# Altium PCB Hrafn_backup.PcbDoc (part 2 of 5) (continued)
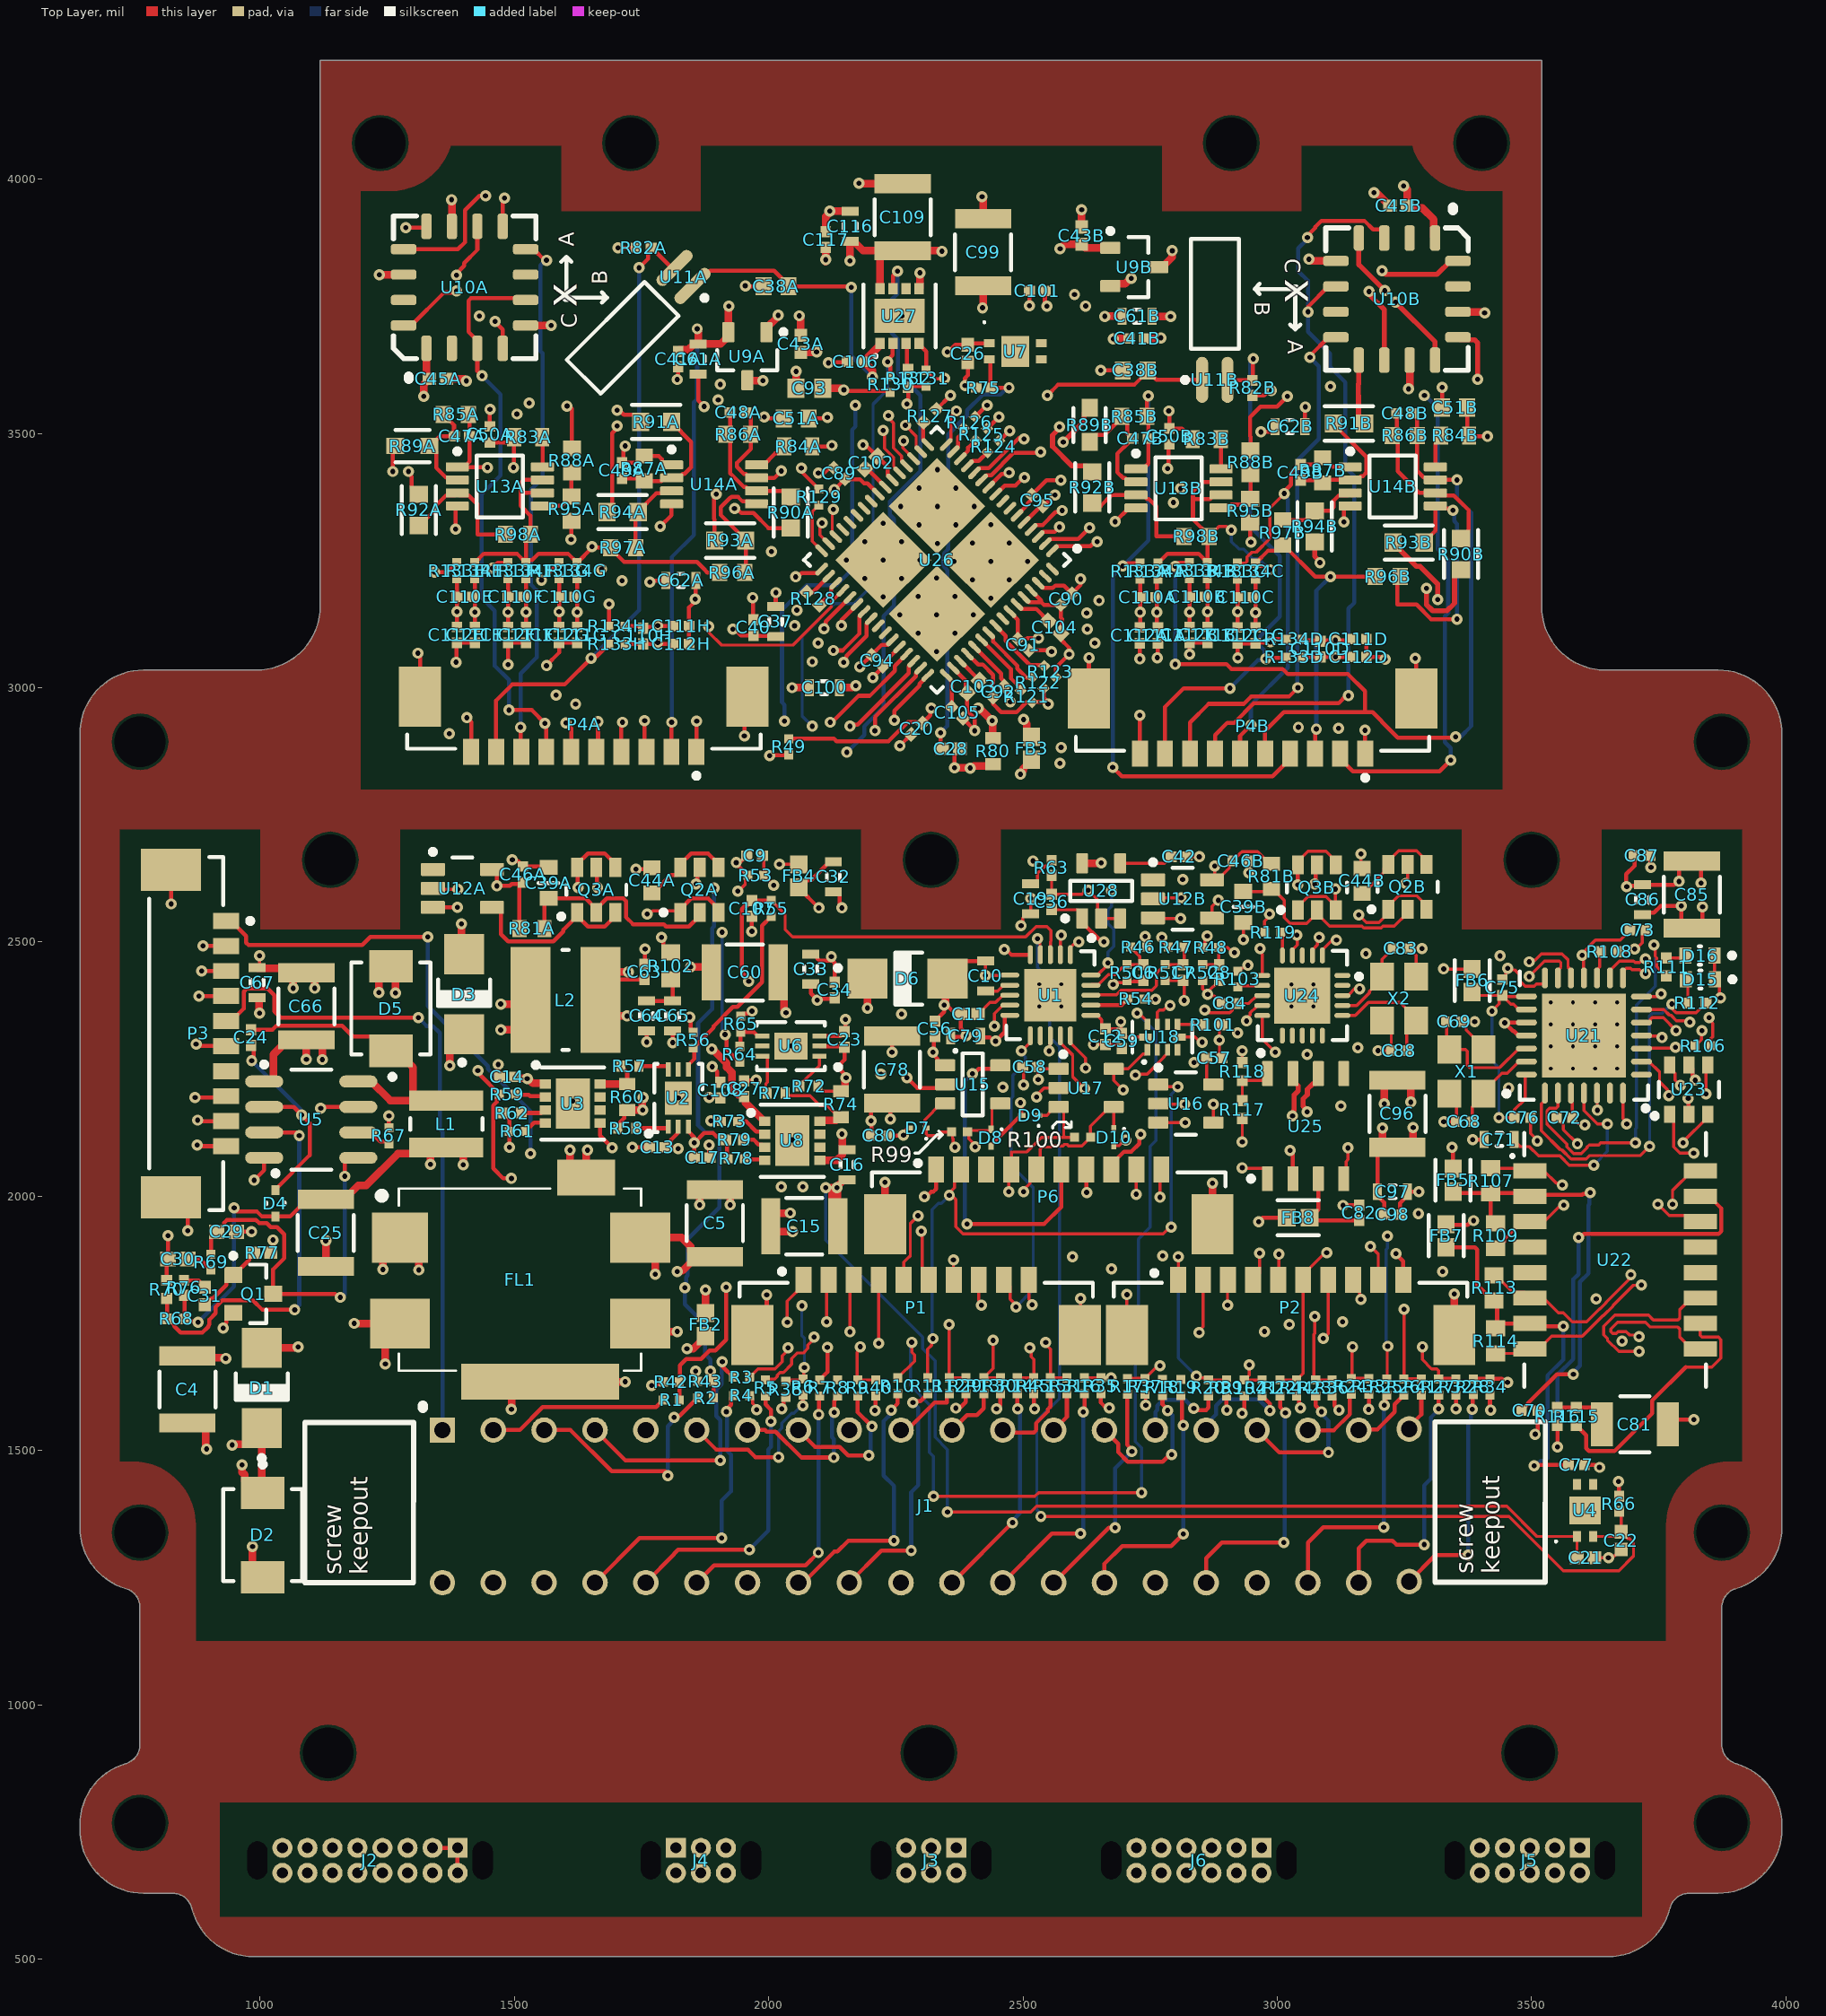
[diagram p0: Top Layer view]
## Part data (continued)
L2: library part CMP-0227-00320-1, "SMD Shielded Tiny Power Inductor WE-TPC, L = 0.47 µH", Inductance="0.47 µH", ComponentLink1Description="Manufacturer Link", ComponentLink1URL=http://www.we-online.com, ComponentLink2Description=Datasheet, ComponentLink2URL=http://www.we-online.de/katalog/media/pdf/74404300047.pdf, DatasheetVersion="ver 6, Aug-2010", PackageDescription="SMD Inductor, 2-Leads, Body 4.8 x 4.8 mm", PackageReference=WE-TPC-4828-MH, PackageVersion=2010
P1 P2 P3 P4A P4B P6: library part CMP-2000-05635-1, "Male Header, Pitch 1.25 mm, 1 x 10 Position, Height 4.7 mm, -40 to 85 degC, RoHS, Tape and Reel", Current Rating=1A, Manufacturer=Molex, Package Description="Male Header, Pitch 1.25 mm, 1 x 10 Position, Height 4.7 mm", Voltage Rating=125V, Brand=Molex, Contact Gender=Pin(Male), Contact Material=PhosphorBronze, Contact Plating=Tin, Datasheet URL=http://www.molex.com/pdm_docs/sd/533981071_sd.pdf, Datasheet Version="Rev. J, 09/2015", Factory Pack Quantity=1000, Housing Material=Nylon, Manufacturer URL=http://www.molex.com/, Mounting Angle=Vertical, Mounting Style=SMD, Mounting Technology=SurfaceMount, Number of Positions=10Position, Number of Rows=1Row, Package Reference=53398-1071, Packaging=Reel, Pitch=1.25mm, Product=Headers, Product Category=Headers&WireHousings, RoHS=Details, Series=53398, Termination Style=SMD, Tradename=PicoBlade, Type=Shrouded
Q1: library part CMP-1048-00592-1, "General Purpose Transistor, NPN Silicon, 3-Pin SOT-23, Pb-Free, Tape and Reel", Manufacturer="On Semiconductor", ComponentLink1Description="Manufacturer URL", ComponentLink1URL=http://www.onsemi.com/, ComponentLink2Description=Datasheet, ComponentLink2URL=http://www.onsemi.cn/pub_link/Collateral/MMBT2222LT1-D.PDF, ComponentLink3Description="Package Specification", ComponentLink3URL=http://www.onsemi.cn/pub_link/Collateral/318-08.PDF, DatasheetVersion="Rev. 10", fT Min (MHz)=300, IC Continuous (A)=0.6, Mounting Technology="Surface Mount", PackageDescription="3-Pin Small Outline Transistor, Body 2.92 x 1.3 mm, Pitch 0.95 mm", PackageReference=SOT-23-3-318-08, PackageVersion="Rev. AP, 11/2009", Packing="Tape and Reel", PartNumber=MMBT2222ALT3G, Polarity=NPN, RoHS=TRUE
Q2A Q2B Q3A Q3B: library part CMP-1058-00959-1, "Power MOSFET, Complementary, 30 V, +2.9 / -2.2 A, 6-Pin TSOP, Pb-Free, Tape and Reel", Manufacturer="On Semiconductor", Package Type=TSOP-6, Channel Polarity=Complementary, ComponentLink1Description="Manufacturer URL", ComponentLink1URL=http://www.onsemi.com/, ComponentLink2Description=Datasheet, ComponentLink2URL=http://www.onsemi.com/pub_link/Collateral/NTGD4167C-D.PDF, ComponentLink3Description="Package Specification", ComponentLink3URL=http://www.onsemi.com/pub_link/Collateral/318G-02.PDF, Configuration=Dual, DatasheetVersion="Rev. 1", Mounting Technology="Surface Mount", PackageDescription="6-Pin Small Outline Package, Body 3 x 1.5 mm, Pitch 0.95 mm", PackageReference=TSOP-6-318G-02, PackageVersion="Rev. V, 06/2012", Packing="Tape and Reel", PartNumber=NTGD4167CT1G, RoHS=Pb-Free, V(BR)DSS Min (V)=30, VGS Max (V)=12, VGS(th) Max (V)=1.5
R1 R2 R3 R4 R5 R6 R7 R8 R9 R10 R11 R12 R13 R14 R15 R16 R17 R18 R19 R20 R21 R22 R23 R24 R25 R26 R27 R28 R67 R103 R106 R119 R121 R122 R123 R124 R125 R126 R127 R128 R129: library part CMP-2002-08356-1, Manufacturer="Vishay Dale", Part Number=CRCW040220K0FKED, Resistance="220 Ω"
R29 R30 R31 R32 R33 R34 R35 R36 R37 R38 R39 R40 R41 R42 R43 R44 R45 R54 R104: library part CMP-2002-00489-1, Manufacturer=Panasonic, Part Number=ERJ-2GEJ223X, Resistance=22kΩ
R46 R47 R48 R49 R50 R51 R52 R53 R69: library part CMP-2002-08135-1, Manufacturer="Vishay Dale", Part Number=CRCW040210K0FKED
R55 R56 R64 R65: library part CMP-2002-00966-3, "Chip Resistor, 4.99 KOhm, +/- 1%, 100 mW, -55 to 155 degC, 0402 (1005 Metric), RoHS, Tape and Reel", Case Code (Imperial)=0402, Case Code (Metric)=1005, Manufacturer="Basic Passives", Max Operating Temperature="155 degC", Min Operating Temperature="-55 degC", Package Quantity=10000, PartNumber=ERJ-2RKF4991X, Power Rating="100 mW", Resistance="4.99 KOhm", Tolerance=1%, Voltage Rating="50 V", Case\/Package=0402, ComponentLink1Description="Manufacturer URL", ComponentLink1URL=http://www.panasonic.com/, ComponentLink2Description=Datasheet, ComponentLink2URL=http://industrial.panasonic.com/cdbs/www-data/pdf/RDA0000/AOA0000C86.pdf, DatasheetVersion=04/2015, Height="0.35 mm", Length="1 mm", Mount="Surface Mount", Mounting Technology="Surface Mount", PackageDescription="2-Pin Surface Mount Device, Body 1 x 0.5 mm", PackageReference=0402, Packaging="Tape and Reel", Pins=2, Radiation Hardening=No, REACH SVHC=Unknown, RoHSCompliant=true, Weight=2.8E-05oz, Width="0.5 mm"
R57 R58 R71 R72: library part CMP-1011-00397-1, "100R 0.063W 1% 0402 (1005 Metric)  SMD", Case-EIA=0402, Case-Metric=1005, Power="0.063 W", Tolerance="1 %", Technology=SMT
R59 R73 R130: library part CMP-2002-08123-2, "Chip Resistor, 100 KOhm, +/- 1%, 0.63 W, -55 to 155 degC, 0402 (1005 Metric), RoHS, Tape and Reel", Case Code (Imperial)=0402, Case Code (Metric)=1005, Max Operating Temperature="155 degC", Min Operating Temperature="-55 degC", Package Quantity=10000, Power Rating="63 mW", Resistance="100 kohm", Tolerance=1%, Type (Resistor)="Thick Film", Voltage Rating="50 V", Case\Package=0402, ComponentLink1Description="Manufacturer URL", ComponentLink1URL=http://www.vishay.com/, ComponentLink2Description=Datasheet, ComponentLink2URL=http://www.vishay.com/docs/20035/dcrcwe3.pdf, DatasheetVersion=06/2012, Height="0.35 mm", Length="1 mm", Mount="Surface Mount", Mounting Technology="Surface Mount", PackageDescription="2-Pin Surface Mount Device, Body 1 x 0.5 mm", PackageReference=0402, Packaging="Tape and Reel", Pins=2, Radiation Hardening=No, REACH SVHC=Unknown, RoHSCompliant=true, Weight="2.3E-05 oz", Width="0.5 mm"
R60 R74: library part CMP-2000-04331-1, Manufacturer=Yageo, Part Number=RL0603FR-070R02L
R61 R78 R131: library part CMP-2002-01133-1, Manufacturer=Panasonic, Part Number=ERJ2RKF2202X
R62 R79 R132: library part CMP-2002-08429-1, Manufacturer="Vishay Dale", Part Number=CRCW0402274KFKED
R63: library part CMP-2002-06398-1, Manufacturer=Yageo, Part Number=RL0402FR-070R5L
R66 R75 R76 R82A R82B: library part CMP-2002-05790-1, Manufacturer=Panasonic, Part Number=ERA-2AEB202X, Resistance="2 kΩ 0.1%"
R68: library part CMP-2002-07467-1, Manufacturer=Yageo, Part Number=RC0402FR-071K74L, Resistance="1.74 kΩ"
R70: library part CMP-1011-00510-4, "Chip Resistor, 1 KOhm, +/- 1%, 100 mW, -55 to 155 degC, 0402 (1005 Metric), RoHS, Tape and Reel", Case Code (Imperial)=0402, Case Code (Metric)=1005, Manufacturer="Basic Passives", Max Operating Temperature="155 degC", Min Operating Temperature="-55 degC", Package Quantity=10000, PartNumber=ERJ-2RKF1001X, Power Rating="100 mW", Tolerance=1%, Voltage Rating="50 V", Case\/Package=0402, ComponentLink1Description="Manufacturer URL", ComponentLink1URL=http://www.panasonic.com/, ComponentLink2Description=Datasheet, ComponentLink2URL=http://industrial.panasonic.com/cdbs/www-data/pdf/RDA0000/AOA0000C86.pdf, DatasheetVersion=04/2015, Height="0.35 mm", Length="1 mm", Mount="Surface Mount", Mounting Technology="Surface Mount", PackageDescription="2-Pin Surface Mount Device, Body 1 x 0.5 mm", PackageReference=0402, Packaging="Tape and Reel", Pins=2, Radiation Hardening=No, REACH SVHC=Yes, Resistance="1 KOhm", RoHSCompliant=true, Width="0.5 mm"
R77: library part CMP-2002-05889-1, Manufacturer=Panasonic, Part Number=ERA2AEB473X, Resistance="47 kΩ"
R80: library part CMP-2000-04856-1, =Resistance="0 Ω", Manufacturer=Yageo, Part Number=AC0603JR-070RL
R81A R81B: library part CMP-2000-00217-1, Manufacturer=Panasonic, Part Number=ERJ-3EKF1204V
R83A R83B R84A R84B: library part CMP-2100-03667-1, "Chip Resistor, 0 Ohm, +/- 5%, 0.1 W, -55 to 155 degC, 0603 (1608 Metric), RoHS, Tape and Reel", Case Code (Imperial)=0603, Case Code (Metric)=1608, Manufacturer=Yageo, Max Operating Temperature=155degC, Min Operating Temperature=-55degC, Package Description="2-Pin Surface Mount Device, Body 1.6 x 0.8 mm", Package Quantity=5000, Power Rating=100mW, Resistance=0mOhm, Temperature Coefficient=200ppm/degreesC, Tolerance=5%, Voltage Rating=50V, Case/Package=0603, Composition=ThickFilm, Contact Plating=Tin, Datasheet URL=http://www.yageo.com/NewPortal/yageodocoutput?fileName=/pdf/R-Chip/PYu-RC_Group_51_RoHS_L_5.pdf, Datasheet Version="Rev. 5, 10/2016", Depth=0.8mm, Height=0.45mm, Lead Free=LeadFree, Length=1.6mm, Manufacturer URL=http://www.yageo.com/, Military Standard=Not, Number of Pins=2, Package Reference=0603, Packaging=TapeandReel, Radiation Hardening=No, REACH SVHC=NoSVHC, RoHSCompliant=true, Termination=SMD/SMT, Voltage Rating (DC)=50V, Width=0.8mm
R85A R85B R86A R86B R87A R87B R96A R96B R97A R97B R98A R98B: library part CMP-2000-03736-1, Manufacturer="Vishay Dale", Part Number=TNPW0603249KBEEA, Resistance=249KΩ
R88A R88B R95A R95B: library part CMP-2000-00874-1, Manufacturer=Panasonic, Part Number=ERA-3AEB103V
R89A R89B R90A R90B R91A R91B R92A R92B R93A R93B R94A R94B: library part CMP-03412-033519-1, "RES SMD 4.99K OHM 0.1% 1/10W", Manufacturer=Yageo, Manufacturer Part Number=RT0603BRE074K99L, Package=RT0603, Power Rating=0.1W, Temperature="-55°C to +155°C", Temperature Coefficient="50 ppm/°C", Temperature Range High=+155°C, Temperature Range Low=-55°C, Tolerance=0.001, Voltage Rating=75V, Automotive=No, Category=Res, ComponentLink2Description=Datasheet, ComponentLink2URL=http://www.yageo.com/documents/recent/PYu-RT_1-to-0.01_RoHS_L_9.pdf, Composition="Thin Film", Device Class L1="Passive Components", Device Class L2=Resistors, Device Class L3="Chip SMD Resistors", Digikey Description="RES SMD 4.99K OHM 0.1% 1/10W", Footprint Url=http://www.yageo.com/exep/pages/download/literatures/PYu-R_Mount_10.pdf, Height=0.55mm, Ipc Land Pattern Name=RESC16080X45, Lead Free=Yes, Mouser Description="Res Thin Film 0603 4.99K Ohm 0.1% 1/10W ±50ppm/°C Molded SMD Paper T/R", Octopart=https://octopart.com/rt0603bre074k99l-yageo-1445653, Resistance=4.99KΩ, RoHS=TRUE, Series=RT
R99 R100: library part CMP-2002-00605-3, "Chip Resistor, 100 Ohm, +/- 1%, 100 mW, -55 to 155 degC, 0402 (1005 Metric), RoHS, Tape and Reel", Case Code (Imperial)=0402, Case Code (Metric)=1005, Manufacturer="Basic Passives", Max Operating Temperature="155 degC", Min Operating Temperature="-55 degC", Package Quantity=10000, PartNumber=ERJ-2RKF1000X, Power Rating="100 mW", Tolerance=1%, Voltage Rating="50 V", Case\/Package=0402, ComponentLink1Description="Manufacturer URL", ComponentLink1URL=http://www.panasonic.com/, ComponentLink2Description=Datasheet, ComponentLink2URL=http://industrial.panasonic.com/cdbs/www-data/pdf/RDA0000/AOA0000C86.pdf, DatasheetVersion=04/2015, Height="0.35 mm", Length="1 mm", Mount="Surface Mount", Mounting Technology="Surface Mount", PackageDescription="2-Pin Surface Mount Device, Body 1 x 0.5 mm", PackageReference=0402, Packaging="Tape and Reel", Pins=2, Radiation Hardening=No, REACH SVHC=Yes, Resistance="100 Ohm", RoHSCompliant=true, Width="0.5 mm"
R101: library part CMP-2002-00116-1, Manufacturer="Vishay Dale", Part Number=CRCW04025K10JNED, Resistance="5.1 kΩ"
R102: library part CMP-2000-00853-1, Manufacturer=Panasonic, Part Number=ERJ-3RQFR22V, Resistance="0.22 Ω"
R107 R109 R113 R114: library part CMP-2000-03436-1, Manufacturer="Vishay Dale", Part Number=CRCW060350R0FKEA, Resistance="50 Ω"
R108: library part CMP-2002-08457-1, Manufacturer="Vishay Dale", Part Number=CRCW04022K32FKED, Resistance="2.32 kΩ"
R111 R112 R117 R118: library part CMP-2002-08276-1, Manufacturer="Vishay Dale", Part Number=CRCW04021K00FKED, Resistance="1 kΩ"
R115 R116: library part CMP-2002-01061-1, Manufacturer=Panasonic, Part Number=ERJ-2RKF75R0X, Resistance="75 Ω"
R133A R133B R133C R133D R133E R133F R133G R133H R134A R134B R134C R134D R134E R134F R134G R134H: library part CMP-2002-00870-1, Manufacturer=Panasonic, Part Number=ERJ2RKF3301X, Resistance="3.3 KΩ"
U1: library part CMP-0313-00349-2, "8 Channel 12-Bit SAR Analog-to-Digital Converter with SPI Interface and Temperature Sensor 1MSPS, -40 to +125 degC, CP-20-8, Pb-Free, Tray", Generic Part Number=AD7298, Manufacturer="Analog Devices", Channels=9, Code_JEDEC=MO-220-WGGD, ComponentLink1Description="Manufacturer URL", ComponentLink1URL=http://www.analog.com/en/index.html, ComponentLink2Description=Datasheet, ComponentLink2URL=http://www.analog.com/static/imported-files/data_sheets/AD7298.pdf, ComponentLink3Description="Package Specification", ComponentLink3URL=http://www.analog.com/static/imported-files/packages/PKG_PDF/LFCSP(CP)/CP-20/CP_20_8.pdf, ComponentLink4Description="Product URL", ComponentLink4URL=http://www.analog.com/en/analog-to-digital-converters/ad-converters/ad7298/products/product.html, DatasheetVersion=Rev.B, Interface=SPI, Mounting Technology="Surface Mount", PackageDescription="20-Lead Lead Frame Chip Scale Package [LFCSP_WQ] 4 x 4 mm Body, Very Very Thin Quad", PackageReference=CP-20-8, PackageVersion=020509-B, Packing=Tray, PartNumber=AD7298BCPZ, Resolution (Bits)=12, RoHS=Y, Throughput Rate (SPS)=1M
U3 U8 U27: library part CMP-07123-000004-1, "IC LOAD SWITCH 0.4-2A OCP 8MLP", Ambient Temperature Range High=+85°C, Ambient Temperature Range Low=-40°C, Manufacturer="ON Semiconductor", Max Junction Temp=+125°C, Max Power Dissipation=1.25W, Max Supply Voltage=36V, Min Supply Voltage=2.8V, Nominal Supply Current=92uA, Output Current=0.4-2A, Package=511DD, Temperature="-40°C to +125°C", Automotive=No, Category=IC, ComponentLink2Description=Datasheet, ComponentLink2URL=https://www.onsemi.com/pub/Collateral/FPF2702-D.pdf, Device Class L1="Integrated Circuits (ICs)", Device Class L2="Power Management ICs", Device Class L3="Gate Drivers", Digikey Description="IC LOAD SWITCH 0.4-2A OCP 8MLP", Fall Time=1.5ms, Footprint Url=https://www.onsemi.com/pub/Collateral/511DD.PDF, Height=0.8mm, Ipc Land Pattern Name=DFN300X300X80-8, Lead Free=Yes, Manufacturer Part Number=FPF2701MPX, Mouser Description="Power Switch ICs - Power Distribution AccuPower Advanced Load Mngmnt Products", Number Of Outputs=1, Octopart=https://octopart.com/fpf2701mpx-on+semiconductor-84327806, Rise Time=7.5ms, RoHS=TRUE, Standoff Height=0mm, Temperature Range High=+125°C, Temperature Range Low=-40°C, Turn Off Delay Time=0.1ms, Turn On Delay Time=2.7ms
U4 U7: library part AD590, Supplier 1=Digi-Key
U5: library part CMP-0491-01945-1, "4.5 A, 500 kHz Step-Down Switching Regulator, 8-pin SOIC (S8-8), 0 to 125 degC, Pb-Free", Frequency Sync Range="580kHz - 1MHz", Manufacturer="Linear Technology", ComponentLink1Description="Manufacturer URL", ComponentLink1URL=http://www.linear.com/, ComponentLink2Description=Datasheet, ComponentLink2URL=http://cds.linear.com/docs/en/datasheet/1959fs.pdf, ComponentLink3Description="Package Specification", ComponentLink3URL=http://cds.linear.com/docs/en/packaging/05081610_G_SO8.pdf, Mounting Technology="Surface Mount", Number Of Outputs=1, PackageDescription="8-Pin Plastic Small Outline (Narrow .150 Inch), Body 4.9 x 3.9 mm, Pitch 1.27 mm", PackageReference=S8-8, PackageVersion="Rev. G, 03/2012", PartNumber=LT1959CS8#PBF, RoHS=TRUE
U9A U9B: library part CMP-0367-00163-2, "4.096 V, 50 ppm / degC, 50 uA Series (Bandgap) Voltage Reference, -40 to 125 degC, 3-pin SOT-23 (DBZ), Green (RoHS & no Sb/Br)", Manufacturer="Texas Instruments", Rating=Catalog, Temp Coeff(Max)(ppm/ degree C)=50, Temp Coeff(Typ)(ppm/ degree C)=20, Code_JEDEC=TO-236, ComponentLink1Description="Manufacturer URL", ComponentLink1URL=http://www.ti.com/, ComponentLink2Description=Datasheet, ComponentLink2URL=http://www.ti.com/general/docs/lit/getliterature.tsp?genericPartNumber=REF3040&fileType=pdf, ComponentLink3Description="Package Specification", ComponentLink3URL=http://www.ti.com/litv/pdf/mpds108a, DatasheetVersion=SBVS032F, Eco-Plan="Green (RoHS & no Sb/Br)", Initial Accuracy @ 25/deg C(%)=0.2, Iq(Max)(uA)=50, Mounting Technology="Surface Mount", PackageDescription="3-Pin Plastic Small Outline, Body 2.92 x 1.3 mm, Pitch 0.95 mm", PackageReference=DBZ0003A, PackageVersion=4203227/B, PartNumber=REF3040AIDBZT, SubFamily="Series Voltage Reference", VI(Max)(V)=5.5, VI(Min)(V)=4.097, VO(V)=4.096
U10A U10B: Case/Package=PLCC, Manufacturer 1=Honeywell, Max Operating Temperature=125°C, Max Supply Voltage=20V, Min Operating Temperature=-40°C, Min Supply Voltage=1.8V, Nominal Supply Current=500mA, Operating Supply Voltage=3V, Package Quantity=66, Axis="X, Y, Z", Bandwidth=5MHz, ComponentLink1Description=https://datasheet.ciiva.com/15099/getdatasheetpartid-59250-15099355.pdf?src-supplier=Verical, ComponentLink1URL=https://datasheet.ciiva.com/15099/getdatasheetpartid-59250-15099355.pdf?src-supplier=Verical, ComponentLink2Description=https://datasheet.ciiva.com/2816/hmc-1051-1052-1053-data-sheet-2816521.pdf?src-supplier=Digi-Key, ComponentLink2URL=https://datasheet.ciiva.com/2816/hmc-1051-1052-1053-data-sheet-2816521.pdf?src-supplier=Digi-Key, Height=2.5mm, Length=7.4mm, Manufacturer Part Number 1=HMC1053, Number of Pins=16, Output Type="Wheatstone Bridge", Packaging="Tape and Reel", Pricing 1="1=70.65000, 4=63.60000, 100=53.00010, 500=51.24000 (USD)", Radiation Hardening=No, RoHS=Yes, Sensing Method=Magnetoresistive, Stock 1=284, Supplier 1=Digi-Key, Width=7.4mm
U12A U12B: library part CMP-0859-00023-3, "Single Inverter Gate, DBV0005A, LARGE T&R", F @ Nom Voltage(Max)(Mhz)=75, Generic Part Number=SN74AHC1G04, ICC @ Nom Voltage(Max)(mA)=0.01, Manufacturer="Texas Instruments", Operating Temperature Range(C)="-40 to 125", Rating=Catalog, tpd @ Nom Voltage(Max)(ns)=10.6,7.5, Voltage(Nom)(V)=3.3,5, 3-State Output=No, Bits(#)=1, DatasheetVersion=SCLS318S, Input Type=CMOS, Logic=Inverting, Output Drive (IOL/IOH)(Max)(mA)=50/-50, Output Type=CMOS, PackageReference=DBV0005A, Schmitt Trigger=No, Sub-Family="Inverting Buffer/Driver", Technology Family=AHC, VCC(Max)(V)=5.5, VCC(Min)(V)=2
U13A U13B U14A U14B: library part CMP-0055-01527-3, "Zero Drift, Low Noise, EMI Hardened Amplifier, 8-pin Mini SOIC, Pb-Free", Manufacturer="Texas Instruments", Package Reference=DGK0008A, PackageTopMarking=ZXTT*AV5A, PowerWise=N, Code_JEDEC=MO-187-AA, ComponentLink1Description="Datasheet URL", ComponentLink1URL=http://www.ti.com/general/docs/lit/getliterature.tsp?genericPartNumber=LMP2022&fileType=pdf, CompType=Amplifiers, PackageDescription="MINI SOIC, .118 x .118 x .034in, 8 Lead, .0256in Pitch", PinCount=8, RoHS=Y
U15 U17: library part CMP-0058-01133-3, "3V LVDS Single CMOS Differential Line Receiver, 5-pin SOT-23, Pb-Free", Manufacturer="Texas Instruments", PackageTopMarking=N02*XTT, PowerWise=N, ComponentLink1Description="Datasheet URL", ComponentLink1URL=http://www.ti.com/general/docs/lit/getliterature.tsp?genericPartNumber=DS90LV012A&fileType=pdf, CompType="Interface IC", PackageDescription="Molded SOT-23, .115 x .063 x .040 in Body, 5 Lead, .0375 in Pitch", PackageReference=DBV0005A, PinCount=5, RoHS=Y
U16: library part CMP-0338-00013-2, "Processor Supervisory Circuit, 1 Supply Monitored, -40 to 85 degC, 5-Pin SOT-23 (DBV), Green (RoHS & no Sb/Br)", Manufacturer="Texas Instruments", Operating Temperature Range="-40 to 85 degC", Rating=Catalog, Threshold Voltage="2.93 V Typ.", # of Supplies Monitored=1, ComponentLink1Description="Manufacturer URL", ComponentLink1URL=www.ti.com, ComponentLink2Description=Datasheet, ComponentLink2URL=http://www.ti.com/lit/ds/symlink/tps3820-33.pdf, ComponentLink3Description="Package Specification", ComponentLink3URL=http://www.ti.com/lit/ml/mpds018j/mpds018j.pdf, DatasheetVersion=SLVS165J, Iq="15 uA Typ.", Mounting Technology="Surface Mount", Output Driver Type / Reset Output="Active-low, Push-pull", PackageDescription="5-Pin Plastic Small Outline, Body 1.6 x 2.9 mm, Pitch 0.95 mm", PackageReference=DBV0005A, PackageVersion=4073253-4/L, Packing="Tape and Reel", PartNumber=TPS3820-33DBVT, Reset Threshold Accuracy=2.4%, RoHS=TRUE, Time Delay="25 ms", VCC="1.1 V Min.", Watchdog Timer WDI="0.2 s"
U18: library part CMP-04892-000024-1, "IC SWITCH SPDT DUAL 10UQFN", Ambient Temperature Range High=+85°C, Ambient Temperature Range Low=-40°C, Manufacturer="Texas Instruments", Max Supply Voltage=4.8V, Min Supply Voltage=2.3V, Nominal Supply Current=30uA, On State Resistance=4.6/5.7Ω, Package=RSE0010A, Temperature="-40°C to +85°C", -3Db Bandwith=6.1GHz, Automotive=No, Category=IC, ComponentLink2Description=Datasheet, ComponentLink2URL=http://www.ti.com/lit/ds/symlink/tmux136.pdf, Device Class L1="Integrated Circuits (ICs)", Device Class L2="Interface ICs", Device Class L3="Analog Switches", Digikey Description="IC SWITCH SPDT DUAL 10UQFN", Footprint Url=http://www.ti.com/lit/ds/symlink/ts3a24157.pdf, Height=0.6mm, Ipc Land Pattern Name=QFN50P150X200X55-10, Lead Free=Yes, Manufacturer Part Number=TMUX136RSER, Mouser Description="Dual SPDT, Low-Capacitance, 6.1 GHz Analog Switch 10-UQFN -40 to 85", Mux Demux Ratio=2:1, Number of Circuits=2, Octopart=https://octopart.com/tmux136rser-texas+instruments-86728646, RoHS=TRUE, Standoff Height=0mm, Temperature Range High=+85°C, Temperature Range Low=-40°C, Throw Configuration=SPDT
U21: library part CMP-0186-00028-2, "Stand-Alone Ethernet Controller with SPI Interface, 28-Pin QFN, Industrial Temperature", Code_JEDEC=MO-220, ComponentLink1Description="Manufacturer URL", ComponentLink1URL=http://www.microchip.com/, ComponentLink2Description=Datasheet, ComponentLink2URL=http://ww1.microchip.com/downloads/en/DeviceDoc/39662c.pdf, ComponentLink3Description="Package Specification", ComponentLink3URL=http://www.microchip.com/stellent/groups/techpub_sg/documents/packagingspec/en012702.pdf, DatasheetVersion="revC, Jan-2008", PackageDescription="28-Lead Plastic Quad Flat, No Lead Package (ML) - 6x6 mm Body [QFN] with 0.55 mm Contact Length", PackageReference=QFN-ML28, PackageVersion="revBB, Aug-2009", RevisionNote="URLs added."
U22: library part CMP-2000-06431-1, "Telecom Transformer 1:1/1:1, -40 to 85 degC, 16-Pin SMT, RoHS, Tube", Manufacturer="Pulse Electronics", Package Description="16-Pin Surface Mount Device, Body 12.7 x 9.09 mm, Pitch 1.27 mm", Package Reference=SMT, Standard Package=40, Category=Transformers, Datasheet URL=http://productfinder.pulseeng.com/products/datasheets/HX1188FNL.pdf;jsessionid=D0CB5525A348FF42F5E5BE320CB10324, Datasheet Version="Rev. B, 05/2014", Family=PulseTransformers, Height - Seated (Max)=5.99mm, Manufacturer URL=http://www.pulseelectronics.com/, Mounting Technology=SurfaceMount, Mounting Type=SurfaceMount, Online Catalog=HX1188, Other Names=553-2200, Other Related Documents=PackagesFNLvs.NL, PartNumber=HX1188FNL, Size / Dimension=12.70mmLx9.00mmW, Transformer Type=IsolationandDataInterface(Encapsulated), Turns Ratio - Primary=Secondary:1:1Transmitter,1:1Receiver
U23: library part CMP-1063-00180-1, "4-Channel Low Capacitance ESD Protection Array, 6-Pin SOT-23, Pb-Free, Tape and Reel", Manufacturer="On Semiconductor", C Max (pF)=0.8, ComponentLink1Description="Manufacturer URL", ComponentLink1URL=http://www.onsemi.com/, ComponentLink2Description=Datasheet, ComponentLink2URL=http://www.onsemi.com/pub_link/Collateral/CM1224-D.PDF, ComponentLink3Description="Package Specification", ComponentLink3URL=http://www.onsemi.com/pub_link/Collateral/527AJ.PDF, DatasheetVersion="Rev. 5", Direction=Unidirectional, IR Max (uA)=1, Mounting Technology="Surface Mount", Number of Lines=4, PackageDescription="6-Pin Small Outline Transistor, Body 2.85 x 1.55 mm, Pitch 0.95 mm", PackageReference=SOT23-6-527AJ, PackageVersion="Rev. B, 02/2012", Packing="Tape and Reel", PartNumber=CM1224-04SO, PPK Max (W)=0.225, RoHS=Pb-Free
U24: library part CMP-0186-00186-1, "Stand-Alone CAN Controller With SPI Interface, 20-Pin QFN, Industrial Temperature, Tape and Reel", ComponentLink1Description="Manufacturer URL", ComponentLink1URL=http://www.microchip.com/, ComponentLink2Description=Datasheet, ComponentLink2URL=http://ww1.microchip.com/downloads/en/DeviceDoc/21801F.pdf, ComponentLink3Description="Package Specification", ComponentLink3URL=http://www.microchip.com/stellent/groups/techpub_sg/documents/packagingspec/en012702.pdf, DatasheetVersion="revF, Oct-2010", PackageDescription="20-Lead Plastic Quad Flat, No Lead Package (ML) - 4x4x0.9 mm Body [QFN]", PackageReference=QFN-ML20, PackageVersion="revBB, Aug-2009"
U25: library part CMP-0315-00015-2, "3.3V CAN Transceiver with Standby Mode, 17 mA, -40 to 85 degC, 8-pin SOIC (D), Green (RoHS & no Sb/Br)", Drivers Per Package=1, Low Power Mode=Standby, Manufacturer="Texas Instruments", Rating=Catalog, Supply Voltage(s)(V)=3.3, Code_JEDEC=MS-012AA, ComponentLink1Description=Datasheet, ComponentLink1URL=http://www.ti.com/general/docs/lit/getliterature.tsp?genericPartNumber=SN65HVD230&fileType=pdf, DatasheetVersion=SLOS346K, Eco-Plan="Green (RoHS & no Sb/Br)", ICC(Max)(mA)=17, Isolated=No, Mounting Technology="Surface Mount", PackageDescription="8-Pin Plastic Small Outline Integrated Circuit, 4.9 x 3.9 mm, Pitch 1.27 mm Pitch", PackageReference=D0008A, PackageVersion="revM, Jun-2011", PartNumber=SN65HVD230DR, Receivers Per Package=1, SubFamily=CAN, Transient Pulse Protection(V)="-25 to 25"
U26: "ANALOG DEVICES - AD7779ACPZ - Analogue to Digital Converter, 8-CH, Sigma-Delta, 24 bit, 16 kSPS, Differential, Single Ended, SPI", Manufacturer 1="Analog Devices", Manufacturer Part Number 1=AD7779ACPZ, Max Operating Temperature=125°C, Max Supply Voltage=3.6V, Min Operating Temperature=-40°C, Min Supply Voltage=2.2V, Supplier Part Number 1=AD7779ACPZ-ND, Category="Analog to Digital Converters (ADCs)", ComponentLink1Description=http://www.mouser.com/ds/2/609/AD7779-907534.pdf?src-supplier=Mouser, ComponentLink1URL=http://www.mouser.com/ds/2/609/AD7779-907534.pdf?src-supplier=Mouser, ComponentLink2Description=http://www.farnell.com/datasheets/2251075.pdf?src-supplier=Farnell, ComponentLink2URL=http://www.farnell.com/datasheets/2251075.pdf?src-supplier=Farnell, ComponentLink3Description=http://www.farnell.com/datasheets/2170257.pdf?src-supplier=Element14, ComponentLink3URL=http://www.farnell.com/datasheets/2170257.pdf?src-supplier=Element14, ComponentLink4Description=http://www.analog.com/media/en/technical-documentation/data-sheets/AD7779.pdf?src-supplier=Digi-Key, ComponentLink4URL=http://www.analog.com/media/en/technical-documentation/data-sheets/AD7779.pdf?src-supplier=Digi-Key, Interface=Serial,SPI, Lead Free="Contains Lead", Number of A/D Converters=8, Number of Bits=24, Number of Inputs=8, Number of Pins=64, Packaging=Tray, Pricing 1="1=13.27000, 10=12.19800, 25=11.69200, 100=9.79600, 250=9.16400, 500=8.53200, 1000=8.40560 (USD)", REACH SVHC="No SVHC", Resolution=24b, RoHS=Yes, Sampling Rate=16000S/s, Stock 1=259, Supplier 1=Digi-Key
U28: library part CMP-0394-00266-2, "Single Output High PSRR LDO, 100 mA, Fixed 3.3 V Output, 2.7 to 5.5 V Input, 5-pin SOT-23 (DBV), -40 to 125 degC, Green (RoHS & no Sb/Br)", Manufacturer="Texas Instruments", Rating=Catalog, Accuracy(%)=2, Code_JEDEC=MO-178, ComponentLink1Description="Manufacturer URL", ComponentLink1URL=http://www.ti.com/, ComponentLink2Description=Datasheet, ComponentLink2URL=http://www.ti.com/general/docs/lit/getliterature.tsp?genericPartNumber=TPS79133&fileType=pdf, ComponentLink3Description="Package Specification", ComponentLink3URL=http://www.ti.com/litv/pdf/mpds018i, ComponentLink4Description="URL Link1", ComponentLink4URL="Samples URL:http://www.ti.com/product/tps79133#samples", DatasheetVersion=SLVS325C, Eco-Plan="Green (RoHS & no Sb/Br)", Fixed Output Options(V)=3.3, Iout(Max)(A)=0.1, Iq(Typ)(mA)=0.2, Mounting Technology="Surface Mount", PackageDescription="5-Pin Plastic Small Outline, Body 1.60 Ãƒâ€” 2.90 mm, Pitch 0.95 mm", PackageReference=DBV0005A, PackageVersion=4073253-4/K, PartNumber=TPS79133DBVR, SubFamily="Single Channel LDO", Vdo(Typ)(mV)=50, Vin(Max)(V)=5.5, Vin(Min)(V)=2.7, Vout Adj(Max)(V)=3.3, Vout Adj(Min)(V)=3.3
X1 X2: library part CMP-2000-05733-1, "Ultra Miniature Ceramic Glass Sealed SMD Crystal, 25 MHz, -40 to 85 degC, 4-Pin SMD, RoHS, Tape and Reel", Case Height=1mm, Case Length=3.2mm, Case Width=2.5mm, Frequency=25MHz, Frequency Stability=30PPM, Load Capacitance=18pF, Manufacturer=ABRACON, Operating Temperature Range=-40Cto+85C, Package / Case=3.2mmx2.5mm, Package Description="4-Pin Surface Mount Device, Body 2.5 x 3.2 mm, Pitch 2.2 mm", Package Reference=ABM8G, Tolerance=20PPM, Brand=ABRACON, Datasheet URL=http://www.abracon.com/Resonators/ABM8G.pdf, Datasheet Version=08/2015, Dimensions=2.5mmWx3.2mmLx1mmH, ESR=60Ohms, Factory Pack Quantity=1000, Manufacturer URL=http://www.abracon.com/, Mounting Style=SMD/SMT, Mounting Technology=SurfaceMount, Packaging=Reel, Product Category=Crystals, RoHS=Details, Series=ABM8G, Termination Style=SMD/SMT, Type=UltraMiniatureGlassSealedCrystal
U2 U6: ComponentLink1Description=Datasheet, ComponentLink1URL=https://www.analog.com/media/en/technical-documentation/data-sheets/6105fa.pdf
U11A U11B: Supplier 1=Digi-Key, Supplier 2=Digi-Key, Supplier Part Number 2=AD590LF-ND

## Free pads (board coordinates)
  round 0 hole 100 unplated: ""(763.78,767.72) ""(763.78,1338.58) ""(763.78,2893.7) ""(1133.86,905.51) ""(1137.8,2661.42) ""(1236.22,4070.87) ""(1728.35,4070.87) ""(2314.96,905.51) ""(2318.9,2661.42) ""(2909.45,4070.87) ""(3401.57,4070.87) ""(3496.06,905.51) ""(3500,2661.42) ""(3874.02,767.72) ""(3874.02,1338.58) ""(3874.02,2893.7)

## Via types
v1: diameter 22, hole 10, Top Layer to Bottom Layer, 698 vias
v2: diameter 23.62, hole 9.84, Top Layer to Bottom Layer, 36 vias
v3: diameter 19.68, hole 7.87, Top Layer to Bottom Layer, 24 vias
v4: diameter 24.02, hole 10, Top Layer to Bottom Layer, 2 vias

## Nets (pads, with @x,y where several pads share a name; then routed paths per layer and width w, separated by ;. In a path a pad name is that pad's centre, name@x,y a point inside that pad or via, vN(x,y) a via of type N, cw(c..) or ccw(c..) an arc to the next point about the centre after c; other vN are vias at no path point)
1_A: C47B.2 P4B.4 R85B.2 R133A.1 U13B.1 | length 1339.6
  Top Layer w8: v1(2676.18,2843.5) 2693.9,2825.79 2990.49,2825.79 3025.03,2860.33 P4B.4@3025.03,2870.17 ; v1(2695.87,3239.17) 2700.2,3239.17 2705.8,3244.78 R133A.1@2729.76,3244.78 ; U13B.1@2721.88,3430.21 2735.66,3430.21 2746.09,3440.65 C47B.2@2746.09,3490.25 2746.09,3531 R85B.2@2743.53,3533.56 2743.53,3571.29 v1(2746.06,3573.82)
  Bottom Layer w8: v1(2676.18,2843.5) 2676.18,3219.49 v1(2695.87,3239.17) 2746.06,3289.37 v1(2746.06,3573.82)
1_B: C48B.2 P4B.5 R86B.2 R133B.1 U14B.7 | length 1854.5
  Top Layer w8: v1(2799,3046) 2900.13,3046 2909.13,3037 3010.21,3037 3020.2,3027.01 3138.34,3027.01 3172.24,2993.11 3172.24,2951.77 ; v1(2799.01,3238.38) 2806.41,3245.78 R133B.1@2827.18,3245.78 ; P4B.5@2975.82,2870.17 2975.82,2914.8 3012.8,2951.77 3172.24,2951.77 ; C48B.2@3265.78,3539.46 3266.57,3539.46 3275.03,3531 R86B.2@3275.03,3496.16 3275.03,3426.5 3288.12,3413.42 3305.61,3413.42 U14B.7@3310.47,3408.56 v1(3353.44,3408.56) ; v1(3350.39,2903.54) 3348.26,2901.41 3236.98,2901.41 3222.72,2915.66 3222.72,2916.06 3187.01,2951.77 3172.24,2951.77
  Bottom Layer w8: v1(2799,3046) v1(2799.01,3238.38) ; v1(3350.39,2903.54) 3360.24,2903.54 3380.91,2924.21 3380.91,3344.49 3353.44,3371.95 v1(3353.44,3408.56)
1_C: C49B.2 P4B.6 R87B.2 R133C.1 U14B.1 | length 925.4
  Top Layer w6: R133C.1@2921.67,3244.78 2936.71,3244.78 2940.25,3248.32 2940.25,3256.95 2949.71,3266.42 2958.35,3266.42 2985.54,3293.61 2985.54,3353.65 v1(3013.78,3381.89)
  Top Layer w8: P4B.6@2926.61,2870.17 2926.61,2904.95 v1(2947.83,2926.18) ; v1(3013.78,3381.89) 3013.78,3386.22 3026.46,3398.9 3026.46,3422.72 3031.74,3427.99 3035.8,3427.99 3045.7,3437.89 C49B.2@3045.7,3438.68 3073.85,3438.68 3087.04,3451.87 R87B.2@3089.01,3451.87 3090.98,3451.87 3103.82,3439.02 3103.82,3438.84 3108.5,3434.15 U14B.1@3143.14,3434.15
  Bottom Layer w8: v1(2947.83,2926.18) 2947.83,2966.54 3020.67,3039.37 3020.67,3370.67 3013.78,3377.56 v1(3013.78,3381.89)
1_H: P4B.3 R96B.1 R97B.1 R98B.1 R134A.1 R134B.1 R134C.1 U13B.6 U13B.7 | length 1233.3
  Top Layer w6: R98B.1@2865.58,3297.34 2865.58,3299.31 2877.35,3311.07 2879.32,3311.07 2885.17,3316.93 2899.61,3316.93 2906.86,3309.67 v1(2909.69,3309.67) ; R134C.1@2957.1,3244.78 2962.96,3238.92 2973.67,3238.92 2980.59,3232 v1(2984.92,3232)
  Top Layer w8: R134A.1@2765.19,3244.78 2784.05,3263.64 2844.76,3263.64 R134B.1@2862.61,3245.78 2862.62,3294.37 R98B.1@2865.58,3297.34 ; R98B.1@2865.58,3299.31 2834.02,3330.87 2834.02,3371.3 ; U13B.6@2889.21,3379.03 2875.43,3379.03 2867.69,3371.3 2834.02,3371.3 ; U13B.7@2889.21,3404.62 2852.46,3404.62 2834.02,3386.19 2834.02,3371.3 ; R134C.1@2957.1,3244.78 2982.16,3269.84 2999.51,3269.84 R97B.1@3010.27,3280.6 3012.24,3280.6 3074.24,3218.6 v1(3104.33,3218.6) R96B.1@3192.35,3218.6 ; P4B.3@3074.24,2870.17 3074.24,2916.43 v1(3076.58,2918.76)
  Bottom Layer w6: v1(2909.69,3309.67) 2909.69,3287.16 2924.21,3272.64 2933.33,3272.64 2952.12,3253.85 2963.07,3253.85 v1(2984.92,3232)
  Bottom Layer w8: v1(3076.58,2918.76) 3076.58,3190.85 v1(3104.33,3218.6)
1_T: P4B.9 R82B.2 R133D.1 U11B.2 | length 1100.5
  Top Layer w8: P4B.9@2778.97,2870.17 2778.97,2962.04 2815.94,2999.02 v1(2906.5,2999.02) ; U11B.2@2901.97,3605.32 2902.95,3604.33 R82B.2@2950.79,3604.33 2951.77,3605.31 2951.77,3645.67 v1(2952.76,3646.65) ; v1(2977,3057) 2978.57,3058.57 3015.95,3058.57 R133D.1@3017.52,3060.14
  Bottom Layer w8: v1(2906.5,2999.02) 2961.8,3054.32 2974.32,3054.32 v1(2977,3057) 2974.32,3059.68 2974.32,3073.39 2966,3081.72 2966,3101.01 2970.14,3105.16 3004.92,3139.93 3004.92,3259.03 2946.52,3317.43 2946.52,3640.42 v1(2952.76,3646.65)
2_A: C47A.2 P4A.4 R85A.2 R133E.1 U13A.1 | length 1233.5
  Top Layer w8: v1(1342.52,3227.36) 1368.19,3227.36 R133E.1@1386.62,3245.78 ; R85A.2@1409.28,3537.5 1411.84,3534.94 C47A.2@1411.84,3494.19 1411.84,3444.58 1401.41,3434.15 1387.63,3434.15 1388.17,3433.61 1446.31,3433.61 v1(1446.85,3433.07) ; P4A.4@1710.07,2874.11 1710.07,2928.57 1712.6,2931.1 v1(1712.6,2932.09)
  Internal Top w8: v1(1372.05,2909.45) 1372.05,2905.28 1376.73,2900.59 1681.1,2900.59 v1(1712.6,2932.09)
  Internal Bottom w8: v1(1372.05,2909.45) 1372.05,3033.29 1342.52,3062.82 v1(1342.52,3227.36) 1345.64,3227.36 1446.85,3328.57 v1(1446.85,3433.07)
2_B: C48A.2 P4A.5 R86A.2 R133F.1 U14A.7 | length 1357
  Top Layer w8: v1(1456.69,3235.24) 1467.24,3245.78 R133F.1@1487.1,3245.78 ; P4A.5@1660.86,2874.11 1664.28,2877.54 v1(1664.28,2933.21) ; C48A.2@1955.15,3541.43 1955.94,3541.43 1962.17,3535.2 1962.17,3534.41 1964.4,3532.18 1964.4,3469.39 1937.01,3442 1937.01,3434.21 1950.99,3420.23 1954.7,3420.23 1962.43,3412.5 U14A.7@1976.21,3412.5 2010.85,3412.5 2024.54,3426.18 v1(2024.61,3426.18)
  Internal Top w8: v1(1456.69,3235.24) 1671.26,3235.24 1972.24,3235.24 v1(2005,3268)
  Internal Bottom w8: v1(1664.28,2933.21) 1664.28,2998.5 1671.59,3005.81 1671.59,3113.14 1665.02,3119.7 1665.02,3227.03 v1(1671.26,3233.27) ; v1(2005,3268) 2005,3406.58 v1(2024.61,3426.18)
2_C: C49A.2 P4A.6 R87A.2 R133G.1 U14A.1 | length 995.5
  Top Layer w8: v1(1553.15,3211.61) 1553.42,3211.61 R133G.1@1587.59,3245.78 ; v1(1601.15,2930.46) 1611.65,2919.96 P4A.6@1611.65,2874.11 ; v1(1717.52,3475.39) 1714.48,3472.36 1714.48,3445.65 C49A.2@1711.45,3442.61 1739.6,3442.61 1752.79,3455.8 R87A.2@1754.76,3455.8 1783.49,3455.8 1790.25,3449.04 1790.25,3442.95 1795.11,3438.09 U14A.1@1808.89,3438.09
  Internal Top w8: v1(1553.15,3211.61) 1553.64,3211.12 1711.12,3211.12 v1(1711.61,3210.63)
  Internal Bottom w8: v1(1553.15,3211.61) 1553.15,3106.19 1541.99,3095.04 1541.99,2989.62 v1(1601.15,2930.46) ; v1(1711.61,3210.63) 1711.61,3470.71 1716.3,3475.39 v1(1717.52,3475.39)
2_H: P4A.3 R96A.1 R97A.1 R98A.1 R134E.1 R134F.1 R134G.1 U13A.6 U13A.7 | length 1260.7
  Top Layer w8: R134E.1@1422.05,3245.78 1439.91,3263.64 1504.68,3263.64 R134F.1@1522.54,3245.78 ; U13A.6@1554.95,3382.97 1519.36,3382.97 1511.81,3390.51 ; U13A.7@1554.95,3408.56 1518.8,3408.56 1511.81,3401.57 1511.81,3390.51 ; v1(1755.91,2935.04) 1755.91,2877.49 P4A.3@1759.28,2874.11 ; R96A.1@1903.38,3226.47 1879.07,3226.47 1874.39,3231.16 1874.39,3231.46 1858.69,3247.16 1715.44,3247.16 1688.98,3273.62 R97A.1@1688.98,3275.59 1652.83,3275.59 R134G.1@1623.03,3245.78 1605.17,3263.64 1547.11,3263.64 1534.11,3250.64 1527.4,3250.64 R134F.1@1522.54,3245.78 ; 1511.81,3390.51 1511.81,3357.44 1531.33,3337.92 R98A.1@1531.33,3301.28 1522.54,3292.48 R134F.1@1522.54,3245.78
  Internal Bottom w8: v1(1652.56,3277.56) 1664.37,3277.56 1692.26,3249.67 1692.26,3224.57 1690.61,3222.92 1690.61,3201.93 1697.83,3194.71 1697.83,3191.93 1725.34,3164.42 1725.34,2965.61 v1(1755.91,2935.04)
2_T: P4A.9 R82A.2 R133H.1 U11A.2 | length 1288.8
  Top Layer w8: P4A.9@1464.01,2874.11 1464.01,2913.93 1464,2975 1495.24,3006.24 1598.76,3006.24 v1(1650.59,3058.07) 1653.65,3061.13 1661.26,3061.13 R133H.1@1685.84,3085.71 ; v1(1745.08,3825.79) 1762.61,3843.32 1762.61,3859.32 1768.45,3865.16 R82A.2@1768.7,3865.16 1769.69,3865.16 1809.47,3825.38 U11A.2@1814.63,3825.38
  Bottom Layer w8: v1(1650.59,3058.07) 1745.08,3152.56 1745.08,3821.85 1743.11,3823.82 v1(1745.08,3825.79)
3V3_Pi: J1.1 P3.5 | length 1298.7
  Top Layer w8: P3.5@942.91,2344.49 967.66,2369.24 967.66,2402.63 973.63,2408.61 1014.55,2408.61 1027.87,2395.29 1027.87,2363.12 1040,2351 v1(1311,2351) ; J1.1@1358.27,1540.16 J1.1@1361.22,1537.2
  Bottom Layer w8: v1(1311,2351) 1327.28,2334.75 1339.46,2334.75 1353.03,2321.18 1353.03,2132.49 1358.27,2127.25 J1.1@1358.27,1540.16
3V3_RAW: C27.2 C63.1 C64.1 C65.1 L2.2 P3.3 U8.1 | length 1385.7
  Top Layer w8: v1(884.84,2442.91) P3.3@933.07,2442.91 ; L2.2@1669.29,2390.42 1704.66,2425.79 C63.1@1755.91,2425.79 ; v1@1759.84,2301.18 C64.1@1759.84,2325 ; C65.1@1811.02,2325 1811.02,2301.18 v1@1812.01,2300.2
  Top Layer w15: v1(1721.46,2354.33) 1700.99,2354.33 L2.2@1669.29,2386.02 1669.29,2390.42 1669.29,2409.07 1701.16,2440.94 v1(1723.43,2440.94) ; v1(1887.8,2289.37) 1889.1,2289.37 1917.35,2261.12 1917.35,2253.5 1927.26,2243.59 1927.26,2212.54 1940.02,2199.78 1949.04,2199.78 1951.77,2197.05 C27.2@1951.77,2196.26 1954.51,2193.52 1954.51,2183.69 1990.54,2147.66 U8.1@1992.31,2147.66
  Internal Top w8: v1(884.84,2442.91) 885.83,2441.93 1722.44,2441.93 v1(1723.43,2440.94)
  other v1: 1811.01,2302.2 1759.84,2303.18
5V_RAW: C5.1 C14.2 FL1.2 P3.1 U3.1 | length 1280.6
  Top Layer w8: P3.1@933.07,2541.34 942.91,2541.34 972.44,2511.81 972.44,2498.69 977.13,2494 1200.69,2494 1216.54,2509.84 v1(1329.72,2509.84) ; FL1.2@1737.38,1918.68 FL1.2@1747.22,1918.68
  Top Layer w15: C14.2@1501.01,2234.72 1503.4,2232.34 1523.66,2232.34 v1(1525,2231) 1526.89,2231 1535.51,2222.39 1558.83,2222.39 U3.1@1560.58,2220.63 ; v1(1776.57,1846.46) 1776.57,1889.32 FL1.2@1747.22,1918.68 1828.78,1918.68 1846.3,1901.15 1846.3,1892.32 1857.56,1881.06 1829.85,1853.34 1821.34,1853.34 v1(1820,1852)
  Bottom Layer w8: v1(1329.72,2509.84) 1329.72,2374.19 1448,2255.91 1448,2250.72 1531.5,2167.22 v1(1531.5,2083.66)
800KHZ_N: D10.1 J3.2 J4.2 P6.5 R100.1 U17.4 | length 3273.9
  Top Layer w6: v1(2501,2009) 2501,2013.08 2513.1,2025.18 2513.1,2040.25 2533.48,2060.63 2533.48,2093.09 2536.99,2096.6 2554.25,2096.6 2556.79,2099.14 2578.61,2099.14 2581.47,2102 2586.22,2102 2589.08,2099.14 2615.89,2099.14 R100.1@2632.75,2116 2632.75,2138.09 2670.26,2175.6 U17.4@2678.13,2175.6 2678,2175.46 D10.1@2678,2132.54
  Internal Top w6: J4.2@1817.26,669.42 1796.47,648.62 1756.58,648.62 1740.36,664.84 1740.36,683.01 1736.85,686.52 1699.26,686.52 1667,718.79 1667,769.21 1697.79,800 2451.21,800 2510,741.21 2510,707.79 2480.21,678 2462.82,678 2454.29,686.52 2448.85,686.52 2445.34,683.01 2445.34,664.84 2429.12,648.62 2389.24,648.62 J3.2@2368.44,669.42
  Internal Bottom w6: J3.2@2368.44,669.42 2389.24,648.62 2429.12,648.62 2445.34,664.84 2445.34,683.01 2448.85,686.52 2460.04,686.52 2499,725.49 2499,1108.21 2423.37,1183.85 2423.37,1644.25 2568,1788.88 2568,1927.21 2501.11,1994.11 2501.11,2008.89 v1(2501,2009)
800KHZ_P: D9.1 J3.1 J4.1 P6.4 R100.2 U17.3 | length 3285.4
  Top Layer w6: v1(2472,2009) 2472,2048.36 2477.08,2053.44 2477.08,2087.05 2507.64,2087.05 2536.59,2116 2583.39,2116 ; D9.1@2530.54,2159 2546.62,2159 2553.18,2165.56 2553.18,2166.79 2561.99,2175.6 U17.3@2569.87,2175.6 2571.07,2175.6 2579.88,2166.79 2579.88,2119.51 2583.39,2116 ; R100.2@2601.25,2116 2583.39,2116
  Internal Top w6: J4.1@1817.26,718.63 1800.58,735.31 1783.63,735.31 1779.52,739.42 1756.58,739.42 1740.36,723.21 1740.36,705.04 1736.85,701.52 1705.48,701.52 1682,725 1682,763 1704,785 2047,785 2076,785 2081.2,779.8 2081.2,750.2 2086.4,745 2102,745 2107.2,750.2 2107.2,779.8 2112.4,785 2128,785 2133.2,779.8 2133.2,750.2 2138.4,745 2154,745 2159.2,750.2 2159.2,779.8 2164.4,785 2185,785 2445,785 2495,735 2495,714 2474,693 2469.03,693 2460.51,701.52 2448.85,701.52 2445.34,705.04 2445.34,723.21 2429.12,739.43 2406.19,739.43 2402.08,735.32 2385.13,735.32 J3.1@2368.44,718.63
  Internal Bottom w6: J3.1@2368.44,718.63 2385.13,735.32 2402.08,735.32 2406.19,739.43 2429.12,739.43 2445.34,723.21 2445.34,705.04 2448.85,701.52 2453.82,701.52 2484,731.7 2484,1102 2408.37,1177.63 2408.37,1650.46 2553,1795.09 2553,1921 2483.55,1990.45 2483.55,1993.12 2472,2004.67 v1(2472,2009)
A3V3: C37.2 C40.2 C50A.2 C50B.2 C51A.2 C51B.2 C62A.2 C62B.2 C89.2 C90.2 C91.2 C92.2 C93.2 C94.2 C95.2 C99.1 C100.2 C101.2 P4A.1 P4B.1 R47.2 R83A.2 R83B.2 R84A.2 R84B.2 R121.2 R122.2 R130.2 U26.6 U26.24 U26.43 U26.52 U26.58 U26.62 U28.5 | length 1950
  Top Layer w6: v1(2773,2509) 2773,2504.67 2776.42,2501.25 2776.42,2498.83 R47.2@2785.25,2490
  Top Layer w8: C50A.2@1451.61,3482.38 1489.46,3482.38 R83A.2@1499.23,3492.16 ; v1(1498.03,3433.07) 1499.23,3434.27 R83A.2@1499.23,3492.16 ; R83A.2@1499.23,3492.67 R83A.2@1499.23,3492.16 ; v1(1766.08,3207.68) 1769.03,3210.63 1797.1,3210.63 C62A.2@1797.47,3211 ; P4A.1@1857.71,2874.11 1857.71,2933.5 v1(1858.27,2934.06) ; v1(1929.13,3115.34) 1930.3,3114.17 1934.06,3114.17 1945.25,3102.98 C40.2@1970.28,3102.98 1971.46,3101.8 2012.41,3101.8 C37.2@2013.59,3100.61 ; C51A.2@2078.58,3529.62 2113.28,3529.62 v1(2115.16,3531.5) ; R84A.2@2085.47,3474.5 2122.14,3474.5 v1(2124.02,3476.38) ; v1(2128.55,3389.76) 2129.05,3389.76 2149.41,3410.12 2179,3410.12 2187.39,3401.73 2194.25,3401.73 U26.24@2215.27,3380.71 ; v1(2147.64,3585.63) 2150.05,3583.22 2236.2,3583.22 R130.2@2238.61,3580.8 ; v1(2178.61,3041.34) 2178.89,3041.34 2201.74,3064.19 C94.2@2202.02,3064.19 2222.41,3084.57 2233.7,3084.57 U26.43@2243.1,3093.97 ; U26.52@2390.65,3066.14 2411.66,3045.12 2421.12,3045.12 2440.92,3025.32 2440.92,3009.4 2439.66,3008.14 2439.66,2999.41 2440.86,2998.2 C92.2@2440.86,2980.86 2440.86,2968.14 2457,2952 2487.28,2952 2507.32,2972.04 R121.2@2517.6,2972.04 2544.7,2972.04 v1@2547.05,2969.69 ; U26.58@2474.17,3149.65 2474.17,3149.15 2489.42,3133.9 C91.2@2489.42,3095.69 2506.76,3095.69 2508.52,3097.44 v1(2530.51,3097.44) ; U26.6@2488.09,3338.96 2509.1,3359.97 2509.1,3362.45 2516.98,3370.33 C95.2@2516.98,3379.15 2545.76,3407.93 v1(2573.97,3407.93) ; v1(2512.2,3751.38) C101.2@2512.2,3780.51 ; U26.62@2529.84,3205.33 2538.89,3196.28 2558.58,3196.28 2563.28,3200.98 2580.62,3200.98 C90.2@2596.34,3185.25 2613.19,3202.1 v1(2613.19,3213.58) ; R122.2@2540.66,2998.71 2540.66,2980.4 2546.86,2974.2 2549.21,2971.85 v1(2549.21,2967.52) ; v1(2786.42,3544.29) 2787.4,3543.31 C50B.2@2787.4,3509.84 2812.38,3509.84 R83B.2@2833.49,3488.73 ; v1(2967.52,3502.95) 2990.22,3502.95 2995.08,3507.81 C62B.2@2995.08,3513.78 ; v1(3172.24,2916.34) 3172.67,2915.91 P4B.1@3172.67,2870.17 ; C51B.2@3373.06,3550.91 3373.06,3499.86 R84B.2@3377.02,3495.91 3378.83,3494.09 v1(3413.39,3494.09)
  Top Layer w15: v1(2046,3000) C100.2@2079.47,3000 ; C93.2@2106.57,3589 2142.37,3589 2145.74,3585.63 v1(2147.64,3585.63) ; v1(2420.28,3747.05) 2421.26,3748.03 C99.1@2421.26,3790.35 ; U28.5@2616.14,2654.53 2646.65,2654.53 2647.64,2655.51 v1(2653.54,2655.51)
  Internal Bottom w6: v1(2653.54,2655.51) 2772.94,2536.12 2772.94,2509.06 v1(2773,2509)
A5V: C20.2 C26.2 C38A.2 C38B.2 C106.2 FB3.1 R49.2 U7.1 U11A.1 U11B.1 U27.1 | length 1399.2
  Top Layer w8: U11A.1@1849.98,3790.02 1854.21,3790.02 1884.07,3819.88 2010.36,3819.88 2038.81,3791.43 C38A.2@2038.81,3789.47 2160.34,3789.47 v1(2162.4,3787.4) ; R49.2@2039.37,2899.61 2128.17,2899.61 2133.42,2894.35 2235.08,2894.35 2273.19,2932.47 2289.64,2932.47 2292.51,2929.59 2301.33,2929.59 C20.2@2301.89,2930.15 2317.64,2945.9 2317.64,2957.64 v1(2319.66,2959.66) ; v1(2351,3660) 2352.29,3660 2366.64,3674.35 C26.2@2391.24,3674.35 2394.09,3677.2 U7.1@2433.68,3677.2 ; v1(2548,3575) 2568.47,3595.47 2718.5,3595.47 C38B.2@2745.08,3622.05 ; C38B.2@2745.08,3624.02 C38B.2@2745.08,3622.05 ; U11B.1@2851.97,3605.32 2761.81,3605.31 C38B.2@2745.08,3622.05
  Top Layer w15: C106.2@2185.35,3641 2186.14,3641 2216.86,3671.72 2216.86,3675.31 U27.1@2218.61,3677.06 ; C106.2@2188.39,3639.76 2203.74,3624.41 v1(2203.74,3611.22) ; v1(2501.04,2937.47) 2501.04,2935.58 2507.34,2929.28 2507.34,2912.98 FB3.1@2516.73,2903.59
  Bottom Layer w8: v1(2162.4,3787.4) 2162.4,3652.56 v1(2203.74,3611.22)
A_N: J5.1 U22.14 | length 1534.4
  Top Layer w6: v1(3748,1984) 3770.17,1961.83 3819.65,1961.83 U22.14@3831.61,1949.87
  Internal Bottom w6: J5.1@3594.82,718.63 3611.51,735.32 3628.45,735.32 3632.56,739.43 3655.5,739.43 3671.72,723.21 3671.72,705.04 3675.23,701.52 3680.2,701.52 3755,776.32 3755,1972.67 3748,1979.67 v1(3748,1984)
A_P: J5.2 U22.16 | length 1559.7
  Top Layer w6: v1(3777,1984) 3777,2011.77 3815.09,2049.87 U22.16@3831.61,2049.86
  Internal Bottom w6: J5.2@3594.82,669.42 3615.61,648.62 3655.5,648.62 3671.72,664.84 3671.72,683.01 3675.23,686.52 3686.42,686.52 3770,770.11 3770,1972.67 3777,1979.67 v1(3777,1984)